# Altium PCB Discharge_B2.PcbDoc (part 1 of 2) (continued)
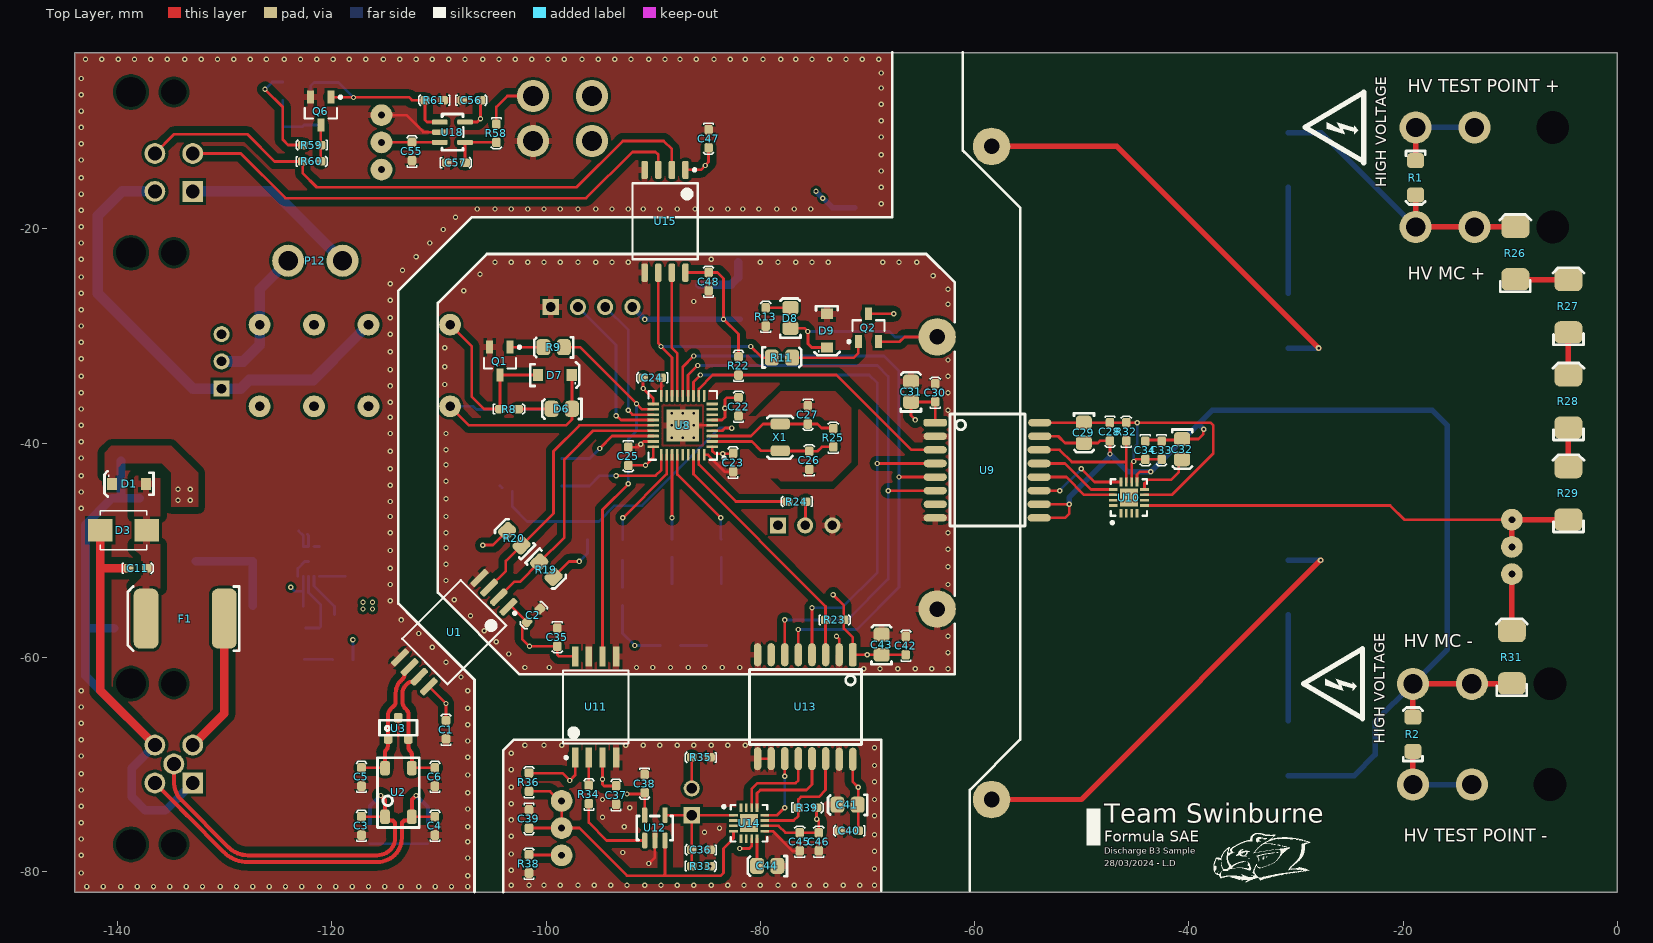
[diagram p0: Top Layer view]
## Components (designator, comment, footprint, x,y, rotation, side; value= is the part's Value field where it differs from the comment) (continued)
R39 "1.2k" 0603 -76.454,-74.041 r0 top
R56 "2K" 0603 -124.587,-8.001 r90 bottom
R57 "10K (Var)" "B 3296" -114.808,-11.852 r90 bottom
R58 "10k" 0603 -104.648,-10.238 r270 top
R59 "1k" 0603 -121.031,-12.192 r180 top
R60 "1k" 0603 -122.731,-13.716 r0 top
R61 "20K" 0603 -109.601,-8.001 r180 top
U1 "ISO1042" TI-SOIC-8 -108.585,-57.658 r225 top
U2 "B82787C0104H002" "TDK 4-PC Pad" -115.037,-74.892 r90 top value="100µH @ 100kHz"
U3 "NUP2105L" "ON SOT-23" -113.807,-66.637 r0 top
U4 "744272121" "Wurth 4-PC Pad" -132.715,-57.277 r180 bottom value="120uH @ 100kHz"
U5 "LM536015QDSXRQ1" TI_10_WSON -122.174,-51.054 r90 bottom
U6 "R2S-053.3/P" "RECOM 8-SMD (5 Pin)" -76.581,-19.304 r270 bottom
U7 "3350-4275-056" "CI SPST" -63.5,-42.799 r90 bottom
U8 "STM32F103T8U6" STM_QFN-36 -87.249,-38.354 r180 top
U9 "ADUM5401" "AD 16-SOIC" -58.801,-43.815 r270 top
U10 "ADS7028" WFQN-16 -45.597,-45.089 r90 top
U11 "ADuM210N" SOIC-8W -95.377,-64.643 r90 top
U12 "TS391ILT" "ON SOT-23-5" -91.425,-78.078 r0 top
U13 "ADUM5401" "AD 16-SOIC" -77.089,-64.643 r180 top
U14 "ADS7028" WFQN-16 -81.063,-75.491 r0 top
U15 "ADuM225N" AD-SOIC-8W -88.9,-19.304 r270 top
U18 "TLV7031-Q1" "TI SOT-23-5" -109.931,-10.038 r270 top
X1 "32.768kHz" "EPSON 2-SMD" -78.149,-39.471 r90 top

## Footprints (in the part's own frame and the unit in brackets; to place one, negate y for a bottom-side part, rotate by r counter-clockwise, add the part's x,y. Pads: shape width x height; smd on the part's side, far side on the other; paste and mask are expansions set on the pad)
0603 [mm]
  rrect50% 0.9x0.8 smd: 1(0,0) 2(1.7,0)
  silkscreen extent -0.6,-0.5 2.3,0.5, body extent 0.05,-0.42 1.65,0.43, height 0.6
0805 [mm]
  rrect50% 1.3x1.5 smd: 1(-0.962,-0.026) 2(0.938,-0.026)
  silkscreen extent -1.85,-0.95 1.8,0.93, body extent -1,-0.65 1,0.66, height 0.73
"0805 LED" [mm]
  rrect50% 1.3x1.5 smd: A(-0.962,-0.026) K(0.938,-0.026)
  silkscreen extent -1.85,-0.95 1.8,0.93, body extent -1.09,-0.63 0.91,0.63, height 1
"1206 CAP" [mm]
  rrect50% 1.8x1.8 smd: 1(-2.81,0) 2(0.44,0)
  silkscreen extent -3.99,-1.09 1.62,1.09, body extent -2.75,-0.79 0.45,0.81, height 1.61
1812 [mm]
  rrect50% 2.2x3.5 smd: 1(-1.8,0) 2(1.8,0)
  silkscreen extent -3.25,-1.75 3.25,1.75, body extent -2.25,-1.6 2.25,1.6, height 2.5
2920 [mm]
  rrect50% 2.3x5.6 smd: 1(0,0) 2(7.3,0)
  silkscreen extent -1.4,-3 9,3, body extent -0.34,-2.81 7.64,2.81, height 1.14
82473C [mm]
  rrect50% 1.8x3.05 smd: 1(-2.81,0) 2(0.44,0)
  silkscreen extent -3.99,-1.68 1.62,1.73, body extent -2.81,-1.25 0.45,1.26, height 2
39293026 [mm]
  round 3 hole 1.8: 1(0,2.54) 1(0,-2.54)
  body extent -3,-5.9 3.2,5.1, height 12.8
39293046 [mm]
  round 3 hole 1.85: 1(0,0) 2(0,5.5) 3(-4.2,0) 4(-4.2,5.5)
  body extent -7.3,-2.1 3.1,8.9, height 3.5
39300020 [mm]
  round 3 hole 1.8: 1(0,0) 2(0,5.5)
  round 1.524 hole 3.05: ""(0,-7.3)
  body extent -2.7,-13.97 3.1,5.97, height 11.4
"AD 16-SOIC" [mil]
  rrect50% 28x85 smd: 1(-225,-192.02)
  oval 28x85 smd: 2(-175,-192.02) 3(-125,-192.02) 4(-75,-192.02) 5(-25,-192.02) 6(25,-192.02) 7(75,-192.02) 8(125,-192.02) 9(125,190) 10(75,189.96) 11(25,189.96) 12(-25,189.96) 13(-75,189.96) 14(-125,189.96) 15(-175,191.98) 16(-225,191.98)
  silkscreen extent -257,-138 155,138, body extent -256,-209 156,209, height 104
AD-SOIC-8W [mm]
  rrect50% 1.7x0.6 smd: 1(-4.8,1.905) 2(-4.8,0.635) 3(-4.8,-0.635) 4(-4.8,-1.905) 5(4.8,-1.905) 6(4.8,-0.635) 7(4.8,0.635) 8(4.8,1.905)
  silkscreen extent -4.92,-3.05 3.55,3.05, body extent -5.16,-3.05 5.16,3.05, height 2.65
"B 3296" [mil]
  round 80 hole 25.2: 1(-103.39,-22) 2(-3.39,-22) 3(96.61,-22)
  silkscreen extent -193,-97 187,143, body extent -191,-97 184,143, height 455
"B TO-263" [mm]
  rrect50% 2x3.8 smd: 1(-2.55,-10.2) 2(2.55,-10.2)
  rrect50% 12.7x11.4 smd: ""(0,0)
  silkscreen extent -6.8,-10.56 6.75,6.1, body extent -5.19,-11.02 5.45,4.83, height 4.8
"CHEMI-CON ELCO" [mm]
  rect 3.55x1.85 smd: 1(-2.65,0) 2(2.65,0)
  silkscreen extent -4.43,-3.3 3.3,3.3, body extent -3.7,-3.4 3.7,3.4, height 6.1
"CI SPST" [mm]
  round 3.5 hole 1.45: 1(30.48,5.08) 2(12.7,0) 3(-12.7,0) 4(-30.48,5.08)
  silkscreen extent -38.73,-8.26 38.73,13.97, body extent -38.1,-4.45 38.1,13.34, height 20.57
"EPSON 2-SMD" [mm]
  rrect50% 1x1.8 smd: 1(-1.25,0) 2(1.25,0)
  silkscreen extent -2,-1.2 2,1.2, body extent -1.5,-1 1.5,1, height 1
"ON SOT-23" [mm] "NUP2105L"
  rrect50% 0.8x0.9 smd: 1(-0.95,-1) 2(0.95,-1) 3(0,1)
  silkscreen extent -1.75,-0.65 1.75,0.75, body extent -1.5,-1.27 1.5,1.28, height 1
"ON SOT-23-5" [mil]
  rrect50% 19x58 smd: 1(24.61,38.39) 2(62.01,38.39) 3(99.41,38.39) 4(99.41,131.39) 5(24.61,131.39)
  silkscreen extent -5,39 128,128, body extent 2,27 122,145, height 57
"RECOM 8-SMD (5 Pin)" [mm]
  rrect50% 1.2x2.4 smd: 1(-3.81,-5.4) 2(-1.27,-5.4) 4(3.81,-5.4) 5(3.81,5.5) 8(-3.81,5.5)
  silkscreen extent -6.5,-4 6.5,4, body extent -6.38,-5.55 6.38,5.55, height 9.2
SM6T39CAY-Footprint-1 [mm]
  rect 2.28x2.12 smd: A(2.165,0) K(-2.165,0)
  silkscreen extent -2.16,-1.81 2.16,1.81, body extent -2.79,-1.98 2.79,1.98, height 2.64
SODFL350X110-2N [mm] "SODFL, 2-Leads, Body 1.70x3.50mm, IPC Medium Density"
  rect 0.95x1.1 smd: A(1.575,0) K(-1.575,0)
  silkscreen extent -2.29,-1.19 2.28,1.18, body extent -1.75,-0.95 1.75,0.95, height 1.1
SOIC-8W [mm]
  rect 1.85x0.6 smd: 1(-4.725,1.905) 2(-4.725,0.635) 3(-4.725,-0.635) 4(-4.725,-1.905) 5(4.725,-1.905) 6(4.725,-0.635) 7(4.725,0.635) 8(4.725,1.905)
  silkscreen extent -4.85,-3.05 3.4,3.05, body extent -5.16,-3.05 5.16,3.05, height 2.65
SRN3015TA-4R7M [mm]
  rect 1.1x3.2 smd: 1(-1.05,0) 2(1.05,0)
  silkscreen extent -2.1,-0.05 -2,0.05, body extent -1.46,-1.47 1.61,1.47, height 1.4
STM_QFN-36 [mm]
  rrect50% 1.1x0.25 smd: 1(-2.75,2) 2(-2.75,1.5) 3(-2.75,1) 4(-2.75,0.5) 5(-2.75,0) 6(-2.75,-0.5) 7(-2.75,-1) 8(-2.75,-1.5) 9(-2.75,-2) 19(2.75,-2) 20(2.75,-1.5) 21(2.75,-1) 22(2.75,-0.5) 23(2.75,0) 24(2.75,0.5) 25(2.75,1) 26(2.75,1.5) 27(2.75,2)
  rrect50% 0.25x1.1 smd: 10(-2,-2.75) 11(-1.5,-2.75) 12(-1,-2.75) 13(-0.5,-2.75) 14(0,-2.75) 15(0.5,-2.75) 16(1,-2.75) 17(1.5,-2.75) 18(2,-2.75) 28(2,2.75) 29(1.5,2.75) 30(1,2.75) 31(0.5,2.75) 32(0,2.75) 33(-0.5,2.75) 34(-1,2.75) 35(-1.5,2.75) 36(-2,2.75)
  rect 3x3 smd: 37(0,0)
  silkscreen extent -3.99,-3.21 3.21,3.21, body extent -3.08,-3.08 3.08,3.08, height 1
T4145035051-001 [mm]
  rect 1.95x1.95 hole 1.3: 1(0,0)
  round 1.95 hole 1.3: 2(3.54,0) 3(3.54,-3.54) 4(0,-3.54) 5(1.77,-1.77)
  round 1.175 hole 2.35 unplated: 6(-5.73,-1.77) 9(9.27,-1.77)
  round 1.4 hole 2.8 unplated: 7(-5.73,-5.77) 8(9.27,-5.77)
  silkscreen extent -7.98,-10.77 11.52,1.77, body extent -7.97,-24.73 11.53,1.27, height 16.2
T4145415041-001 [mm]
  rect 1.95x1.95 hole 1.3: 1(0,0)
  round 1.95 hole 1.3: 2(3.54,0) 3(3.54,-3.54) 4(0,-3.54)
  round 1.175 hole 2.35 unplated: 6(-5.73,-1.77) 9(9.27,-1.77)
  round 1.4 hole 2.8 unplated: 7(-5.73,-5.77) 8(9.27,-5.77)
  silkscreen extent -7.98,-10.77 11.52,1.77, body extent -7.97,-24.73 11.53,1.27, height 16.1
"TDK 4-PC Pad" [mm]
  rrect50% 1.35x0.9 smd: 1(0,-2.5) 2(0,0) 3(4.55,0) 4(4.55,-2.5)
  silkscreen extent -1,-3.2 5.5,0.7, body extent -0.02,-2.82 4.48,0.38, height 2.8
"TH 2.54mm Header 1x3" [mm]
  rect 1.5x1.5 hole 0.9: 1(0,0)
  round 1.5 hole 0.9: 2(2.54,0) 3(5.08,0)
  silkscreen extent -1.27,-1.27 6.35,1.27, body extent -1.27,-1.27 6.35,1.27, height 9.5
"TH 2.54mm Header 1x4" [mm]
  rect 1.5x1.5 hole 0.9: 1(0,0)
  round 1.5 hole 0.9: 2(2.54,0) 3(5.08,0) 4(7.62,0)
  silkscreen extent -1.27,-1.27 8.89,1.27, body extent -1.27,-1.27 8.89,1.27, height 9.5
"TH 2.54mm Header 2x5" [mm]
  rrect50% 1.25x4.75 smd: 1(-5,-2.704) 2(-5,3.046) 3(-2.46,-2.704) 4(-2.46,3.046) 5(0.08,-2.704) 6(0.08,3.046) 7(2.62,-2.704) 8(2.62,3.046) 9(5.16,-2.704) 10(5.16,3.046)
"TI 2-DIL" [mil]
  round 80 hole 35.43: 1(-350,-150) 4(-50,-150) 6(150,-150) 8(350,-150) 9(350,150) 11(150,150) 13(-50,150) 16(-350,150)
  silkscreen extent -400,-200 400,200, body extent -398,-197 398,197, height 450
"TI SOT-23-5" [mil]
  rrect50% 19x58 smd: 1(0,0) 2(37.4,0) 3(74.8,0) 4(74.8,93) 5(0,93)
  silkscreen extent -30,8 103,86, body extent -23,-12 97,106, height 57
TI-SOIC-8 [mm]
  rrect50% 1.95x0.6 smd: 1(-5.25,1.905) 2(-5.25,0.635) 3(-5.25,-0.635) 4(-5.25,-1.905) 5(5.25,-1.905) 6(5.25,-0.635) 7(5.25,0.635) 8(5.25,1.905)
  silkscreen extent -5.37,-3 3.88,3, body extent -5.75,-3 5.75,3, height 2.8
TI_10_WSON [mm]
  rect 0.85x0.25 smd: 1(-1.395,1) 2(-1.395,0.5) 3(-1.395,0) 4(-1.395,-0.5) 5(-1.395,-1) 6(1.395,-1) 7(1.395,-0.5) 8(1.395,0) 9(1.395,0.5) 10(1.395,1)
  rect 1.54x2.4 smd: 11(0,0)
  silkscreen extent -2.12,-1.68 1.67,1.73, body extent -1.58,-1.53 1.58,1.53, height 0.8
"VB 0204" [mm]
  rrect50% 1.4x1.6 smd: 1(-1.6,0) 2(1.6,0)
  silkscreen extent -2.5,-0.9 2.5,0.9, body extent -1.8,-0.7 1.8,0.7, height 1.4
"VB 0207" [mm]
  rrect50% 2.1x2.6 smd: 1(-2.25,0) 2(2.65,0)
  silkscreen extent -3.4,-1.45 3.8,1.45, body extent -2.7,-1.1 3.1,1.1, height 2.19
"VSHY SOT-23-3" [mm] "SOT23, 3-Leads, Body 2.92x2.37mm, Pitch 0.95mm, IPC Low Density"
  rect 1.2x0.65 smd: D(1.3,0) G(-1.3,0.95) S(-1.3,-0.95)
  silkscreen extent -1.42,-1.5 0.7,1.95, body extent -1.32,-1.52 1.32,1.52, height 1.12
WFQN-16 [mm]
  rect 0.8x0.25 smd: 1(-1.45,0.75) 2(-1.45,0.25) 3(-1.45,-0.25) 4(-1.45,-0.75) 9(1.45,-0.75) 10(1.45,-0.25) 11(1.45,0.25) 12(1.45,0.75)
  rect 0.25x0.8 smd: 5(-0.75,-1.45) 6(-0.25,-1.45) 7(0.25,-1.45) 8(0.75,-1.45) 13(0.75,1.45) 14(0.25,1.45) 15(-0.25,1.45) 16(-0.75,1.45)
  rect 1.68x1.68 smd: 17(0,0)
  silkscreen extent -2.47,-1.7 1.7,1.7, body extent -1.6,-1.6 1.6,1.6, height 0.8
"Wurth 4-PC Pad" [mm]
  rrect50% 2.7x2.7 smd: 1(7.62,6.22) 2(0,6.22) 3(0,0) 4(7.62,0)
  silkscreen extent -1.7,-1.8 9.4,8, body extent -1.19,-1.24 8.81,7.46, height 6.2
"XH 2 PIN VERT" [mm]
  round 1.508 hole 1: 1(1.25,0.127)
  rect 1.508x1.508 hole 1: 2(-1.25,0.127)
  silkscreen extent -3.7,-3.3 3.7,3.71, body extent -3.61,-3.24 3.61,2.6, height 7.21

## Part data
C1 C2 C10 C11 C12 C15 C18 C22 C23 C24 C25 C28 C30 C33 C34 C35 C36 C37 C38 C39 C40 C42 C45 C46 C47 C48 C55 C56: library part GCM188L81H104KA57D, Digikey Part Number=490-6049-1-ND, Manufacturer=muRata, Rated Voltage=50V, Temperature Rating=X8L, Tolerance=±10%, Material=MLCC, Part Number=GCM188L81H104KA57D
C3 C4 C5 C6: library part GRM1885C1H101JA01D, Digikey Part Number=490-1427-1-ND, Manufacturer="Murata Electronics", Rated Voltage=50V, Temperature Rating="C0G, NP0", Tolerance=±5%, Material=MLCC, Part Number=GRM1885C1H101JA01D
C7: library part GRM21BR61A226ME51L, Digikey Part Number=490-10511-1-ND, Manufacturer=muRata, Rated Voltage=10V, Temperature Rating=X5R, Tolerance=20%, Material=MLCC, Part Number=GRM21BR61A226ME51L
C8 C9 C19 C20 C29 C31 C41 C43: library part GRM21BR6YA106KE43L, Digikey Part Number=490-10514-6-ND, Manufacturer=muRata, Rated Voltage=50V, Temperature Rating=X5R, Tolerance=10%, Material=MLCC, Part Number=GRM21BR6YA106KE43L
C13: library part HHXA350ARA470MF61G, Part Number=HHXA350ARA470MF61G
C14 C21: library part GRM31CR71H475KA12K, Digikey Part Number=490-GRM31CR71H475KA12KTR-ND, Manufacturer="Murata Electronics", Rated Voltage=50V, Temperature Rating=X7R, Tolerance=±10%, Material=MLCC, Part Number=GRM31CR71H475KA12K
C16 C32 C44: library part GCM21BR71H105KA03L, Digikey Part Number=490-10675-1-ND, Manufacturer=muRata, Rated Voltage=50V, Temperature Rating=X7R, Tolerance=±10%, Material=MLCC, Part Number=GCM21BR71H105KA03L
C17 C57: library part GCM188L81H103KA03D, Digikey Part Number=490-GCM188L81H103KA03DCT-ND, Manufacturer=muRata, Rated Voltage=50V, Temperature Rating=X8L, Tolerance=±10%, Material=MLCC, Part Number=GCM188L81H103KA03D
C26 C27: library part GRM0335C1H220JA01D, Digikey Part Number=490-6123-1-ND, Manufacturer="Murata Electronics", Rated Voltage=50V, Temperature Rating="C0G, NP0", Tolerance=±5%, Material=MLCC, Part Number=GRM0335C1H220JA01D
D1 D7 D9: library part CMP-004-00005-4, "Diode 100 V 1A Surface Mount SOD-123W"
D3: library part CMP-004-00003-4, "TVS Diode Single Bi-Dir 33.3V 600W Automotive 2-Pin SMB T/R / TVS DIODE 33.3VWM 69.7VC SMB", Breakdown Voltage=39V, Case/Package=DO-214AA, Clamping Voltage=53.9V, Leakage Current=200nA, Max Breakdown Voltage=41V, Max Operating Temperature=150°C, Max Power Dissipation=600W, Max Surge Current=11.1A, Min Breakdown Voltage=37.1V, Min Operating Temperature=-55°C, Operating Supply Voltage=30V, Package Quantity=1, Peak Pulse Current=57A, Power Line Protection=No, Resistor Type=Zener, Reverse Standoff Voltage=33.3V, Test Current=1mA, Diode Type=ZENER, Direction=Bidirectional, Element Configuration=Single, Height=2.45mm, Length=4.6mm, Max Reverse Leakage Current=200nA, Mount="Surface Mount", Number of Bidirectional Channels=1, Number of Channels=1, Number of Elements=1, Number of Pins=2, Packaging="Tape and Reel", Peak Pulse Power=600W, Polarity=Bidirectional, Radiation Hardening=No, REACH SVHC="No SVHC", Reverse Breakdown Voltage=37.1V, RoHS Compliant=Yes, Series="Automotive, AEC-Q101, SM6TY, TRANSIL™", Termination=SMD/SMT, Width=3.95mm
D4 D5: library part SML-210LTT86, "Red LED Indication - Discrete 1.75V 0805 (2012 Metric)", Digikey Part Number=511-1286-1-ND, Manufacturer="ROHM Semiconductor", Colour=Red, Part Number=SML-210LTT86
D6 D8 D16: library part SML-210FTT86, "Green LED Indication - Discrete 1.75V 0805 (2012 Metric)", Digikey Part Number=511-1285-1-ND, Manufacturer="ROHM Semiconductor", Colour=Green, Part Number=SML-210FTT86
D10 D11 D12: library part SML-211YTT86, "Yellow LED Indication - Discrete 1.75V 0805 (2012 Metric)", Digikey Part Number=511-1293-1-ND, Manufacturer="ROHM Semiconductor", Colour=Yellow, Part Number=SML-211YTT86
F1: "PTC RESET FUSE 60V 1A 292", Digikey Part Number=507-2070-1-ND, Manufacturer="Littelfuse Inc.", Digikey Link=https://www.digikey.com/product-detail/en/bel-fuse-inc/0ZCF0100AF2A/507-2070-1-ND/6210547, Part Number=0ZCF0100AF2A
K1: library part CMP-036-000001-1, "5V DPDT Relay 3A 220VDC", Part Number=V23105A5475A201
L1: library part RLS-126, Digikey Part Number=945-3429-ND, Manufacturer=Recom, Rated Current="0.8 A", Tolerance=0.2, Impedance=230mOhm, Material=Wirewound, Part Number=RLS-126
L2: library part SRN3015TA-4R7M, Digikey Part Number=SRN3015TA-4R7MCT-ND, Manufacturer=Bourns, Rated Current=1.2A, Tolerance=0.2, Impedance=120mOhms, Material=Wirewound, Part Number=SRN3015TA-4R7M
L3: library part 82473C, Digikey Part Number=811-2477-2-ND, Manufacturer="Murata Power Solutions Inc.", Rated Current=250mA, Tolerance=0.1, Impedance="1.69 Ohms", Material=Wirewound, Part Number=82473C
P1: "M12 NMEA 2000 Header", Angle=90, Contact="Copper Alloy", Flange=Yes, Part Number=T4145035051-001, Positions=5
P2: "M12 4-Pin PCB Header", Angle=90, Contact="Copper Alloy", Flange=Yes, Part Number=T4145415041-001, Positions=4
P3 P4 P5 P6: Digikey Part Number=WM21351-ND, Angle=90, Contact=Tin, Flange=No, Part Number=39300020, Pitch=4.2mm, Positions=2, Row Spacing=5.5mm
P7 P10: library part "TH 2.54mm Header 1x3", Angle=0, Contact=NA, Flange=No, Part Number="TH 2.54mm Header 1x3", Pitch=2.54mm, Positions=3, Row Spacing=2.54mm
P8: library part "SMD 2.54mm Header 2x5", Angle=0, Contact=NA, Flange=No, Part Number="SMD 2.54mm Header 2x5", Pitch=2.54mm, Positions=10, Row Spacing=2.54mm
P9: library part "TH 2.54mm Header 1x4", Angle=0, Contact=NA, Flange=No, Part Number="TH 2.54mm Header 1x4", Pitch=2.54mm, Positions=4, Row Spacing=2.54mm
P11: Digikey Part Number=455-2247-ND, Angle=0, Contact=Tin, Digikey Link=https://www.digikey.com.au/en/products/detail/jst-sales-america-inc/B2B-XH-A-LF-SN/1651045, Flange=No, Part Number=B2B-XH-A(LF)(SN), Pitch=2.54mm, Positions=2, Row Spacing=2.54mm
P12: Digikey Part Number=WM3843-ND, Angle=0, Contact=Tin, Flange=No, Part Number=39293026, Pitch=4.2mm, Positions=2, Row Spacing=5.5mm
P13: Digikey Part Number=WM3844-ND, Angle=0, Contact=Tin, Flange=No, Part Number=39293046, Pitch=4.2mm, Positions=4, Row Spacing=5.5mm
Q1 Q2 Q5 Q6: "MOSFET N-CH 60V 2.3A SOT23", Digikey Part Number=SQ2308CES-T1_GE3CT-ND, Manufacturer="Vishay Siliconix", Rated Power=2W, LatestRevisionDate=29-May-2009, LatestRevisionNote="IPC-7351 Footprint Added.", PackageDescription="4-Pin SOT-343 Package 1.3 mm Pitch, 2.1 mm Lead Span", PackageReference=SOT-343, PackageVersion=Sep-2000, Part Number=SQ2308CES-T1_GE3, Published=24-Mar-1999, Publisher="Altium Limited", Type=N-channel
R1 R2: library part CMP-037-000426-1, Digikey Part Number=MMA-150KACT-ND, Manufacturer="Vishay Beyschlag", Rated Voltage=0.4W, Tolerance=0.01, Part Number=MMA02040C1503FB300
R3 R4: library part RC0805FR0756RL, Digikey Part Number=311-56.0CRCT-ND, Manufacturer=YAGEO, Rated Power=0.125W, Tolerance=0.01, Material=FR-07, Part Number=RC0805FR0756RL
R6 R33 R56: library part RC0603FR-072KL, Digikey Part Number=311-2.00KHRCT-ND, Manufacturer=YAGEO, Rated Power=0.1W, Tolerance=0.01, Material=FR-07, Part Number=RC0603FR-072KL
R7 R8 R13 R34 R59 R60: library part RC0603FR-071KL, Digikey Part Number=311-1.00KHRCT-ND, Manufacturer=YAGEO, Rated Power=0.1W, Tolerance=0.01, Material=FR-07, Part Number=RC0603FR-071KL
R9 R11: library part RC0805FR07100RL, Digikey Part Number=311-100CRCT-ND, Manufacturer=YAGEO, Rated Power=0.125W, Tolerance=0.01, Material=FR-07, Part Number=RC0805FR07100RL
R10 R12 R14 R15: library part CMP-037-000402-1, Digikey Part Number=PWR263S-35-1001J-ND, Manufacturer="Bournes Inc", Rated Voltage=35W, Tolerance=0.05, Part Number=PWR263S-35-1001J
R16 R17 R18: library part RT0603BRD07500RL, Digikey Part Number=13-RT0603BRD07500RL-ND, Manufacturer=YAGEO, Rated Power=0.1W, Tolerance=0.01, Material=FR-07, Part Number=RT0603BRD07500RL
R19 R20: library part RC0805FR075K1L, Digikey Part Number=311-5.10KCRCT-ND, Manufacturer=YAGEO, Rated Power=0.125W, Tolerance=0.01, Material=FR-07, Part Number=RC0805FR075K1L
R21 R24 R35 R36 R38 R58: library part RC0603FR-0710KL, Digikey Part Number=311-10.0KHRCT-ND, Manufacturer=YAGEO, Rated Power=0.1W, Tolerance=0.01, Material=FR-07, Part Number=RC0603FR-0710KL
R22 R23 R32 R39: library part RC0603JR-071K2L, Digikey Part Number=311-1.2KGRCT-ND, Manufacturer=YAGEO, Rated Power=0.1W, Tolerance=0.01, Material=FR-07, Part Number=RC0603JR-071K2L
R25: library part RC0603FR-1310ML, Digikey Part Number=13-RC0603FR-1310MLCT-ND, Manufacturer=YAGEO, Rated Power=0.1W, Tolerance=0.01, Material=FR-07, Part Number=RC0603FR-1310ML
R26 R27 R28 R29: library part MMB02070C3303FB200, Digikey Part Number=MMB-330KBCT-ND, Manufacturer="Vishay Beyschlag", Rated Power=1W, Tolerance=0.01, Part Number=MMB02070C3303FB200
R30 R37 R57: library part 3296W-1-103LF, Digikey Part Number=3296W-103LF-ND, Manufacturer="Bournes Inc", Rated Power=0.5W, Tolerance=0.1, Part Number=3296W-1-103LF
R31: library part MMB02070C1003FB200, Digikey Part Number=MMB-10KBCT-ND, Manufacturer="Vishay Beyschlag", Rated Power=1W, Tolerance=0.01, Part Number=MMB02070C1003FB200
R61: library part RC0603FR-0720KL, Digikey Part Number=311-20.0KHRCT-ND, Manufacturer=YAGEO, Rated Power=0.1W, Tolerance=0.01, Material=FR-07, Part Number=RC0603FR-0720KL
U1: "IC CAN TRANSCEIVER 1/1 8SOIC", Digikey Part Number=296-ISO1042BQDWVQ1-ND, Manufacturer="Texas Instruments", Part Number=ISO1042
U2: Digikey Part Number=495-4598-1-ND, Manufacturer="EPCOS (TDK)", Rated Current=150mA, Impedance="5.8 kOhms @ 10MHz", Material=Wirewound, Part Number=B82787C0104H002
U3: "Dual Line CAN Bus Protector", Digikey Part Number=NUP2105LT1GOSCT-ND, Manufacturer="ON Semiconductor", Digikey Link=https://www.digikey.com/product-detail/en/on-semiconductor/NUP2105LT1G/NUP2105LT1GOSCT-ND/1485001, Part Number=NUP2105L
U4: Digikey Part Number=732-1489-1-ND, Manufacturer="Wurth Electronics Inc", Rated Current="2.5 A", Impedance="460 Ohms @ 30MHz", Material=Wirewound, Part Number=744272121
U5: "DC DC CONVERTER 5V", Digikey Part Number=296-50359-1-ND, Input Voltage="4.5 to 36 V", Manufacturer="Texas Instruments", Output Current="1.0 A", Output Voltage=5V, Part Number=LM536015QDSXRQ1
U6: "Isolated Module DC DC Converter 1 Output 3.3V 606mA 4.5V - 5.5V Input", Digikey Part Number=945-2677-5-ND, Input Voltage=4.5V-5.5V, Manufacturer=Recom, Output Current=606mA, Output Voltage=3.3V, Part Number=R2S-053.3/P
U7: library part CMP-035-000005-1, "RELAY REED HV SPST 200W 3A 5V (NC)", Part Number=3350-4275-056
U8: "ARM® Cortex®-M3 STM32F1 Microcontroller IC 32-Bit 72MHz 64KB (64K x 8) FLASH QFN", Manufacturer="ST Microelectronics", Digikey Link=https://www.digikey.com/en/products/detail/stmicroelectronics/stm32f103t8u6/1852493, Digikey Part Number=STM32F103T8U6, Part Number=STM32F103T8U6
U9 U13: "Quad Channel 2.5kV Digital Isolator with isoPower", Manufacturer="Analogue Devices", Part Number=ADUM5401
U10 U14: library part ADS7028IRTER, "IC ADC 12BIT SAR 16WQFN", Manufacturer="Texas Instruments", Digikey Link=https://www.digikey.com.au/en/products/detail/texas-instruments/ADS7028IRTER/12696020?s=N4IgTCBcDaIIIBEDKB2ADGAHASQEoBUBRXEAXQF8g, Digikey Part Number=ADS7028IRTER, Part Number=ADS7028IRTER
U11: library part CMP-110-000007-1, "DIGITAL ISOLATOR, SINGLE CHANNEL", Digikey Link=#https://www.analog.com/media/en/technical-documentation/data-sheets/ADuM210N.pdf#, Part Number=ADuM210N
U12: library part CMP-022-000013-1, "IC COMP LO PWR SGL V SOT 23-5L", Part Number=TS391ILT
U15: "DIGITAL ISOLATOR, DUAL CHANNEL", Manufacturer="Analogue Devices", Part Number=ADuM225N
U18: Digikey Part Number=296-TLV7031QDBVRQ1CT-ND, Input Voltage="1.6 to 6.5 V", Manufacturer="Texas Instruments", Channels=1, Output=Push-Pull, Part Number=TLV7031-Q1
X1: library part "FC-135 32.7680KA-A5", Digikey Part Number=SER4103TR-ND, Load Capacitance=12.5pF, Manufacturer=EPSON, Digikey Link=https://www.digikey.com/product-detail/en/epson/FC-135-32.7680KA-A5/SER4103TR-ND/5259895, ESR=70k, Part Number="FC-135 32.7680KA-A5"

## Via types
v1: diameter 0.5, hole 0.25, Top Layer to Bottom Layer, 392 vias
v2: diameter 0.55, hole 0.25, Top Layer to Bottom Layer, 2 vias

## Nets (pads, with @x,y where several pads share a name; then routed paths per layer and width w, separated by ;. In a path a pad name is that pad's centre, name@x,y a point inside that pad or via, vN(x,y) a via of type N, cw(c..) or ccw(c..) an arc to the next point about the centre after c; other vN are vias at no path point)
0V: C1.1 C3.1 C4.1 C5.1 C6.1 C7.1 C8.1 C9.1 C10.1 C14.1 C15.1 C16.1 C17.1 C18.1 C19.1 C20.1 C47.1 C55.1 C56.1 C57.1 D16.K P13.3 Q5.S Q6.S R6.1 R57.3 R61.1 U1.5 U3.3 U4.3 U5.5 U5.9 U5.10 U5.11 U6.1 U15.4 U18.2 | length 10.3
  Top Layer w0.254: R57.3@-115.367,-9.398 -113.03,-9.398 -111.44,-10.988 U18.2@-109.931,-10.988 ; -113.807,-67.272 U3.3@-113.807,-65.637 ; v1@-107.317,-67.815 -107.315,-67.817 v1(-107.315,-67.818)
  Bottom Layer w0.254: U5.5@-123.174,-52.449 -123.174,-51.697 -122.531,-51.054 U5.11@-122.174,-51.054 ; U5.9@-121.674,-49.659 U5.10@-121.174,-49.659
  other v1: -142.875,-81.407 -141.351,-81.407 -139.7,-81.407 -138.176,-81.407 -136.652,-81.407 -135.128,-81.407 -133.604,-81.407 -132.08,-81.407 -130.429,-81.407 -128.905,-81.407 -127.381,-81.407 -125.857,-81.407 -124.333,-81.407 -122.809,-81.407 -121.158,-81.407 -119.634,-81.407 -118.11,-81.407 -116.586,-81.407 -115.062,-81.407 -113.538,-81.407 -111.887,-81.407 -110.363,-81.407 -108.839,-81.407 -107.315,-81.407 -107.315,-80.391 -143.383,-80.137 -107.315,-78.74 -143.383,-78.486 -107.315,-77.216 -143.383,-76.962 -107.315,-75.819 -143.383,-75.438 -107.315,-74.168 -143.383,-73.914 -107.315,-72.644 -143.383,-72.39 -107.315,-70.993 -143.383,-70.866 -107.315,-69.342 -143.383,-69.215 -143.383,-67.691 -107.315,-66.294 -143.383,-66.167 -107.315,-64.77 -143.383,-64.643 -143.383,-63.119 -107.315,-63.119 -107.95,-61.849 -109.347,-60.452 -110.617,-59.055 -111.887,-57.785 -113.538,-56.515 -114.554,-54.737 -114.554,-53.213 -114.554,-51.689 -114.554,-50.038 -114.554,-48.387 -114.554,-46.863 -143.383,-46.101 -114.554,-45.466 -143.383,-44.577 -114.554,-43.942 -143.383,-43.053 -114.554,-42.418 -143.383,-41.402 -114.554,-40.767 -143.383,-39.878 -114.554,-39.116 -143.383,-38.354 -114.554,-37.592 -143.383,-36.83 -114.554,-36.195 -143.383,-35.306 -114.554,-34.671 -143.383,-33.782 -114.554,-33.147 -143.383,-32.131 -114.554,-31.496 -143.383,-30.607 -114.554,-29.845 -143.383,-29.083 -114.554,-28.321 -143.383,-27.559 -114.554,-26.67 -143.383,-26.035 -114.554,-25.146 -143.383,-24.511 -113.411,-23.876 -143.383,-22.86 -112.141,-22.606 -143.383,-21.336 -110.871,-21.336 -109.601,-20.066 -143.383,-19.812 -108.458,-18.923 -143.383,-18.288 -106.426,-18.161 -104.775,-18.161 -103.251,-18.161 -101.727,-18.161 -100.203,-18.161 -98.679,-18.161 -97.028,-18.161 -95.377,-18.161 -93.853,-18.161 -92.329,-18.161 -90.932,-18.161 -89.408,-18.161 -87.757,-18.161 -86.106,-18.161 -84.582,-18.161 -83.058,-18.161 -81.661,-18.161 -80.137,-18.161 -78.486,-18.161 -76.835,-18.161 -75.311,-18.161 -68.707,-17.653 -143.383,-16.764 -68.707,-16.129 -143.383,-15.24 -68.707,-14.605 -143.383,-13.589 -68.707,-13.081 -143.383,-12.065 -68.707,-11.43 -143.383,-10.541 -68.707,-9.906 -143.383,-9.017 -68.707,-8.382 -143.383,-7.493 -68.707,-6.858 -143.383,-5.969 -68.707,-5.461 -143.002,-4.191 -141.478,-4.191 -139.954,-4.191 -138.43,-4.191 -136.906,-4.191 -135.382,-4.191 -133.731,-4.191 -132.207,-4.191 -130.683,-4.191 -129.159,-4.191 -127.635,-4.191 -126.111,-4.191 -124.46,-4.191 -122.936,-4.191 -121.412,-4.191 -119.888,-4.191 -118.364,-4.191 -116.84,-4.191 -115.189,-4.191 -113.665,-4.191 -112.141,-4.191 -110.617,-4.191 -109.093,-4.191 -107.569,-4.191 -105.918,-4.191 -104.394,-4.191 -102.87,-4.191 -101.346,-4.191 -99.822,-4.191 -98.298,-4.191 -96.647,-4.191 -95.123,-4.191 -93.599,-4.191 -92.075,-4.191 -90.424,-4.191 -88.9,-4.191 -87.503,-4.191 -85.979,-4.191 -84.328,-4.191 -82.804,-4.191 -81.407,-4.191 -79.756,-4.191 -78.105,-4.191 -76.708,-4.191 -75.184,-4.191 -73.533,-4.191 -72.009,-4.191 -70.485,-4.191 -68.961,-4.191
0V_(ISO): C2.1 C21.1 C22.1 C23.1 C24.1 C25.1 C26.1 C27.1 C30.2 C31.2 C35.1 C42.2 C43.2 C48.1 D9.A D11.K D12.K P8.5 P8.6 P9.1 P10.3 Q1.S R7.1 R13.1 U1.4 U6.4 U7.3 U8.5 U8.18 U8.26 U8.36 U8.37 U9.2 U9.8 U11.5 U11.7 U13.2 U13.8 U15.5 | length 11.9
  Top Layer w0.254: C25.1@-92.329,-40.386 -91.44,-40.386 -90.908,-39.854 U8.26@-89.999,-39.854 ; U8.18@-89.249,-35.604 C24.1@-89.249,-33.909 ; v1(-87.249,-38.354) U8.5@-84.499,-38.354 ; U8.36@-85.249,-41.104 -84.88,-41.104 -83.288,-42.696 C23.1@-82.829,-42.696 ; v1(-72.898,-58.039) -72.898,-58.051 -72.644,-58.305 U13.2@-72.644,-59.766
  other v1: -70.358,-61.087 -68.834,-61.087 -67.183,-61.087 -65.532,-61.087 -64.008,-61.087 -62.484,-61.087 -101.981,-60.96 -99.695,-60.96 -91.567,-60.96 -90.043,-60.96 -88.392,-60.96 -86.741,-60.96 -85.217,-60.96 -83.566,-60.96 -81.915,-60.96 -103.505,-59.69 -62.484,-59.563 -104.648,-58.547 -62.484,-58.039 -105.791,-57.531 -107.061,-56.134 -108.578,-54.635 -62.484,-53.213 -109.347,-52.832 -62.484,-51.562 -109.347,-51.308 -62.484,-49.911 -109.347,-49.784 -109.347,-48.387 -62.484,-48.387 -109.347,-46.863 -109.347,-45.212 -109.347,-43.561 -109.347,-42.037 -109.347,-40.64 -91.174,-40.12 -88.265,-39.497 -87.249,-39.497 -86.233,-39.497 -109.347,-39.116 -88.265,-38.354 -86.233,-38.354 -88.265,-37.211 -87.249,-37.211 -86.233,-37.211 -62.484,-36.957 -62.484,-35.306 -109.474,-34.544 -62.484,-33.782 -109.474,-32.893 -62.484,-32.258 -109.474,-31.115 -62.484,-27.051 -86.233,-26.797 -107.696,-25.781 -62.484,-25.654 -63.881,-24.384 -106.172,-24.257 -104.775,-23.114 -103.251,-23.114 -101.727,-23.114 -100.203,-23.114 -98.679,-23.114 -97.028,-23.114 -95.377,-23.114 -93.853,-23.114 -92.329,-23.114 -80.01,-23.114 -78.359,-23.114 -76.708,-23.114 -75.184,-23.114 -73.66,-23.114 -68.58,-23.114 -67.056,-23.114 -65.405,-23.114 -84.582,-22.86